# KiCad board ZSWatch-panelized.kicad_pcb (continued)
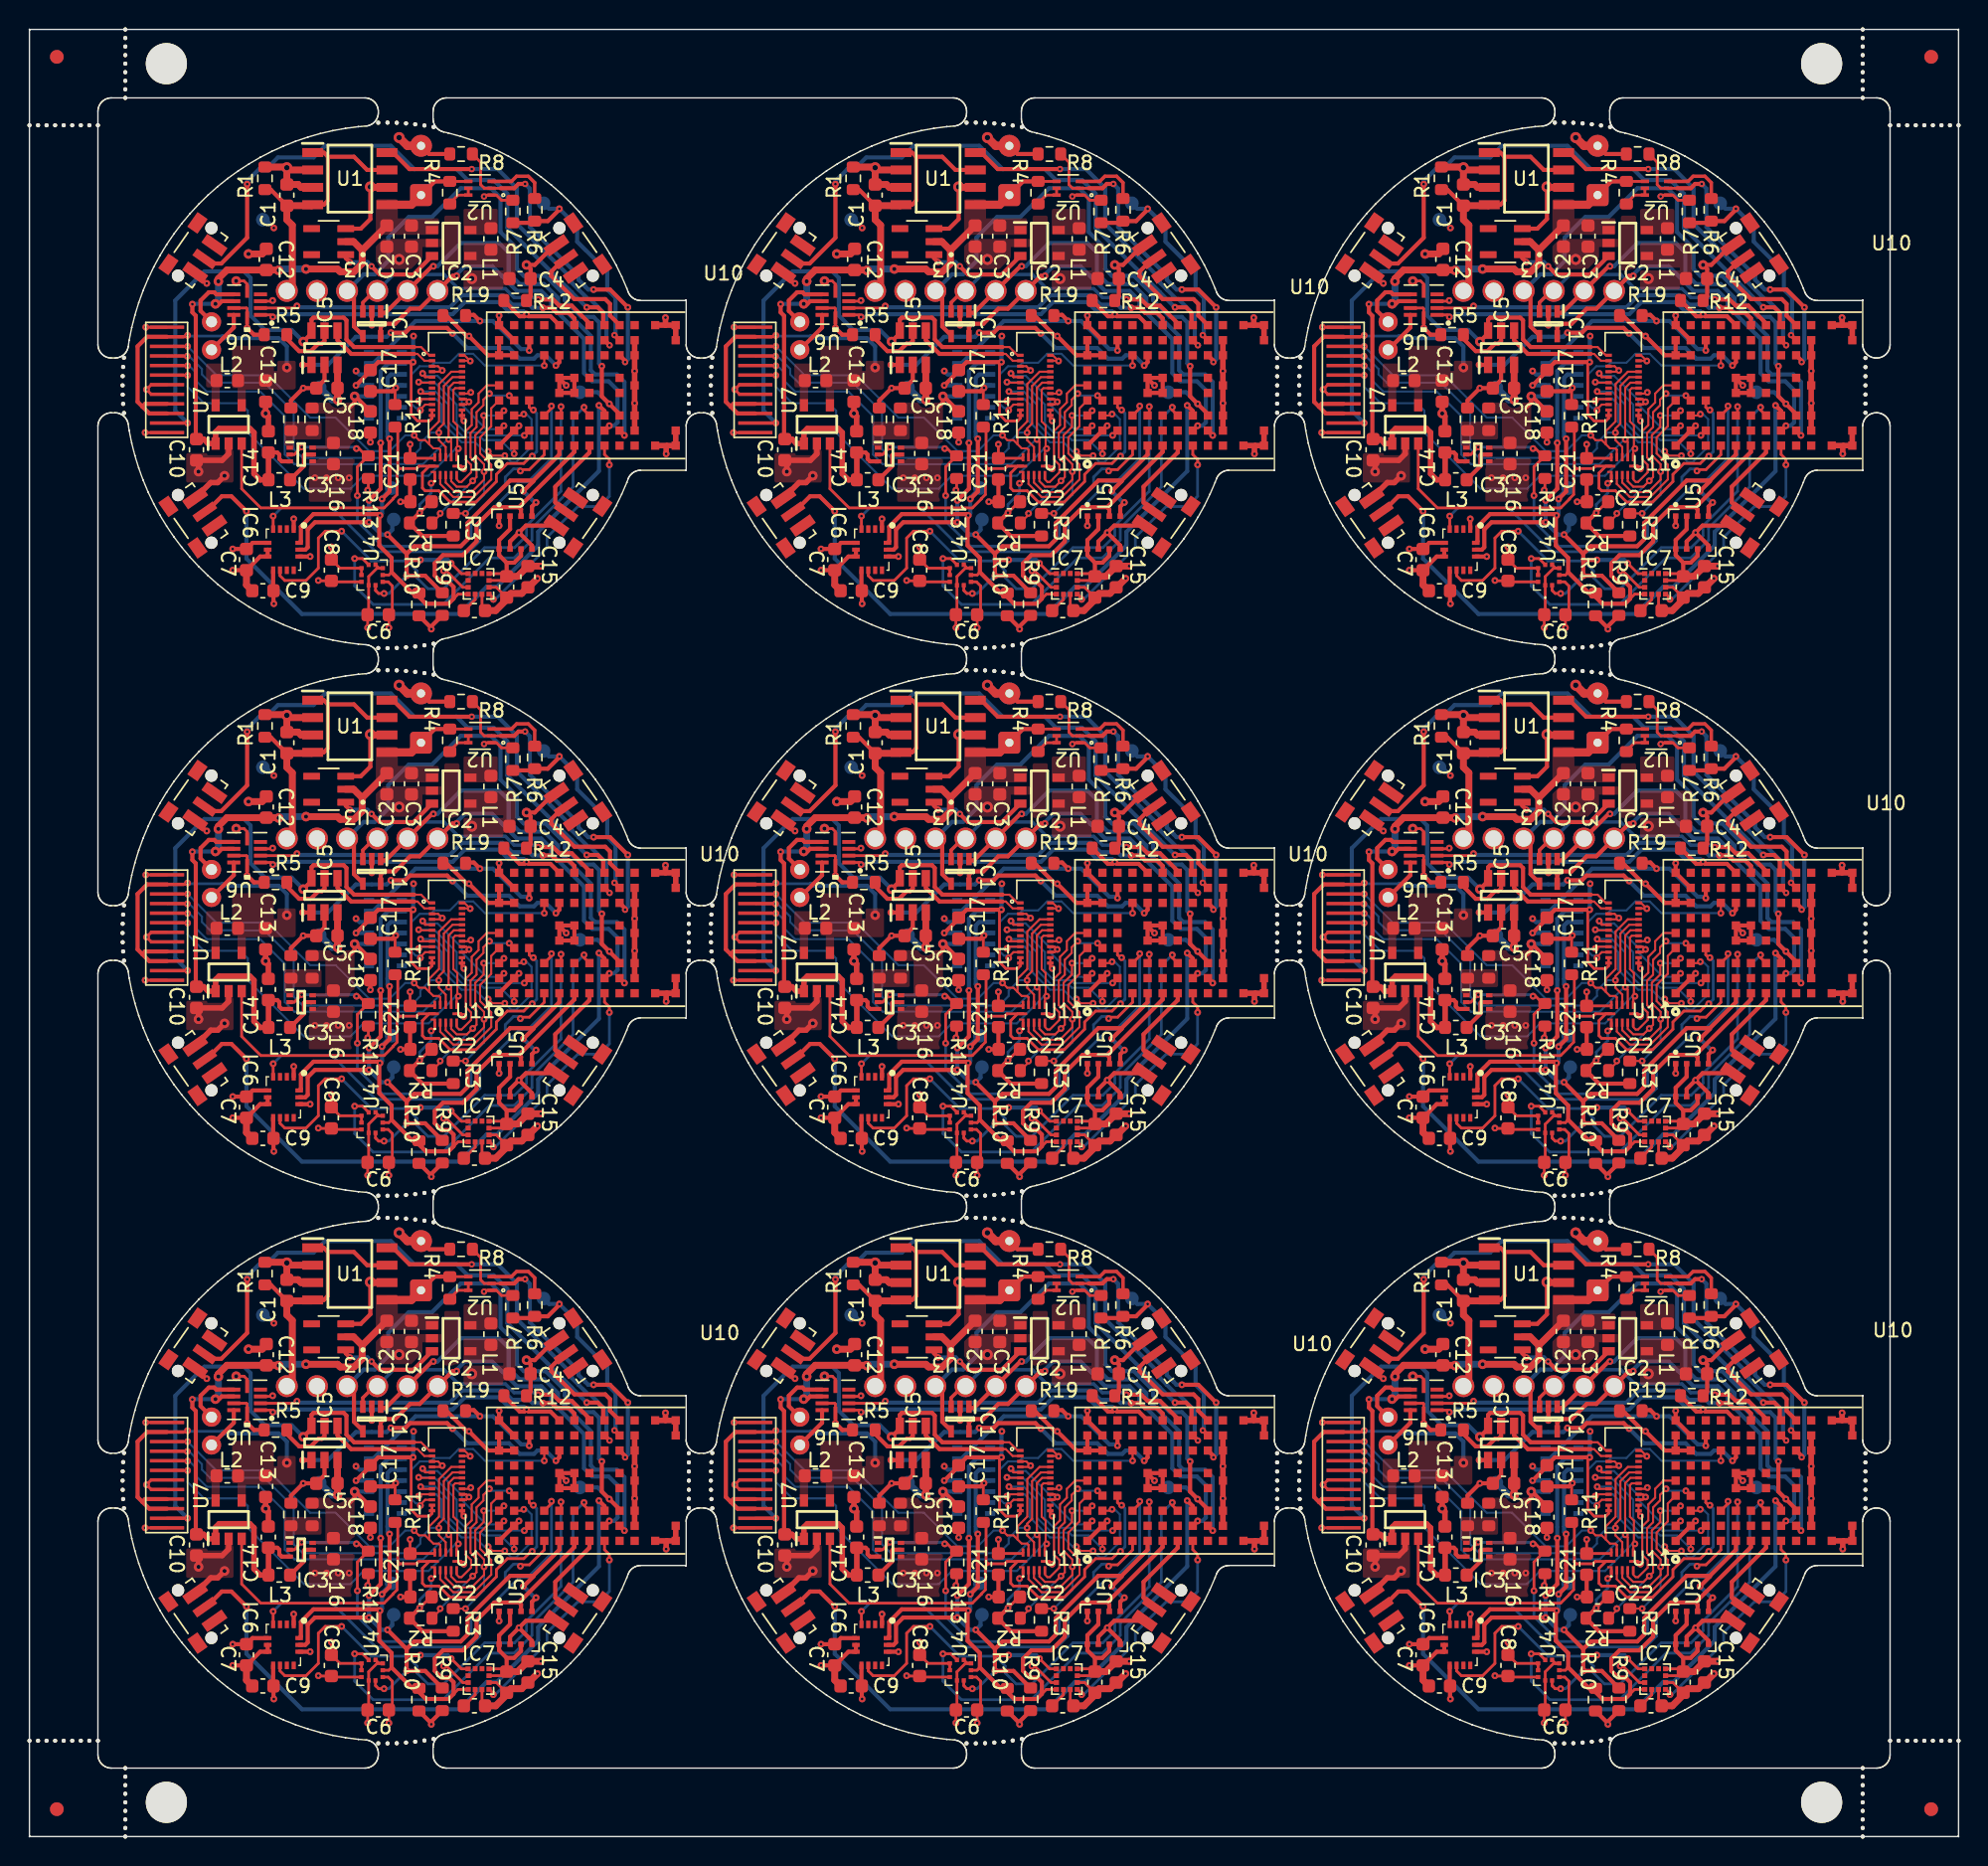
[diagram p0: board, top side]
## Routing (per net, layer and track width the routed paths; a pad name or vN(x,y) marks a point on that pad's centre or on a via; arc(x,y) is an arc through that point) (continued)
Board_5-TOUCH_SDA: length 15.9
  Top w0.15: v1(120.96,65.25) U10#9.B4 ; v1(119.51,65.4) 119.07,64.96 119.07,64.55 118.57,64.04 118.57,62.95 118.13,62.51 118.13,60.73 118.57,60.29 118.57,59.3 118.29,59.03 v1(118.29,59.03) 117.87,58.6 117.87,58.6 117.12,58.6 116.72,59 U11.4 ; R2#7.1 115.92,56.55 v1(115.92,56.65)
  Bottom w0.15: v1(118.29,59.03) 115.92,56.65 v1(115.92,56.65) ; v1(120.96,65.25) 119.66,65.25 v1(119.51,65.4)
Board_5-UART_TX: length 19.7
  Top w0.25: IC1#3.3 110.27,72.05 111.12,72.9 J2#5.3
  Top w0.3: v1(123.07,72.27) 124.15,72.27 124.6,71.82 125.52,71.82 126.81,70.53 U10#9.G9
  Bottom w0.25: J2#5.3 112.52,74.1 116.2,74.1 117.24,73.06 120.68,73.06 121.32,72.42 122.93,72.42 v1(123.07,72.27)
Board_5-V_BAT: length 51.5
  Top w0.2: U2#8.4 R4#6.1
  Top w0.3: 98.32,62.12 98.27,62.07 98.07,62.27 98.07,71.08 97.82,71.33 v1(97.82,71.93) ; BT1#6.1 115.52,80.9 R4#6.1 ; IC3#5.3 104.34,60.45 104.17,60.62 104.17,60.95 104.02,61.1 C14.1 ; v3(99.5,71.95) 99.77,71.95 99.97,72.15 U6#9.7
  Top w0.4: C14.1 103.38,61.09 L3#9.1 102.77,59.1 102.32,59.55 102.32,62.55 102.02,62.85 99.77,62.85 99.52,62.6 U7#7.1 98.97,61.75 98.64,62.07 98.27,62.07
  Top w0.5: v3(99.72,73.6) 99.72,73.8 100.34,74.42 C12#8.2 104.09,74.42 v3(104.12,74.4) ; 110.22,75.87 109.59,76.5 U3#6.2 ; 110.22,75.87 C2#9.2 ; 110.22,75.87 110.22,74.9 109.62,74.3 108.62,74.3 108.42,74.5 v3(106.12,74.5)
  Top w0.6: U1#4.5 113.81,79.19 BT1#6.1
  Bottom w0.3: v1(97.82,71.93) 97.84,71.95 v3(99.5,71.95)
  Bottom w0.5: v3(106.12,74.5) 104.22,74.5 v3(104.12,74.4) ; v3(99.5,71.95) 99.72,72.17 v3(99.72,73.6)
Board_5-VBUS: length 20.9
  Top w0.3: C1#3.1 103.54,80.3 R1#2.1 ; 107.72,82.7 107.72,79.5 107.41,79.19 U1#4.4 ; 107.72,82.7 107.41,83 U1#4.1 ; 107.72,82.7 109.62,82.7 110.58,81.73 U1#4.7
  Top w0.5: J2#5.6 105.12,73.3 105.12,77.7 104.72,78.1 C1#3.1 106.53,79.12 U1#4.4
Board_6-5V_REG_EN: length 30.3
  Top w0.2: v1(23.95,17.95) 23.95,20.05 R13#2.1 ; U10#5.D1 37.59,20.93 36.51,19.85 35.95,19.85 v1(35.85,19.75) ; v1(23.88,21.38) 24.06,21.38 24.65,20.8 ; IC3#9.2 19.34,20.95 v4(19.88,21.49)
  Bottom w0.2: v1(23.88,21.38) 23.77,21.49 v4(19.88,21.49) ; v1(35.85,19.75) 35.7,19.9 35.35,19.9 34.75,19.3 34.75,18.7 32.25,16.2 32.25,14.95 31.55,14.25 25.77,14.25 23.95,16.07 v1(23.95,17.95)
Board_6-+1V8: length 64
  Top w0.2: U4#7.6 25.52,12.65 U4#7.5 25.38,12.65 24.77,12.04 U4#7.1 24.77,9.32 C6#7.1 v1(24.7,8.3) ; 32,11.25 31.65,11.25 30.45,12.45 v1(30.25,12.45) ; v1(29.34,18.85) 29.45,18.85 29.6,19 U11#8.1 ; 29.4,24.18 U13#7.12 29.4,23.6 29.2,23.4 28.35,23.4 27.88,23.87 27.88,27.56 v1(28.02,27.7) ; v1(28.5,16.7) 29.3,17.5 C22#2.2 ; 33.6,11.75 34.55,11.75 C19#8.2 34.65,12.25 33.6,12.25 ; v1(21.1,11.75) 21.12,11.72 C8#2.2 22.12,11.65 U4#7.10
  Top w0.3: U10#5.A7 33.5,28.2 v1(32.1,29.6) 31.95,29.6 30.45,31.1 R19#8.1 30.45,31.1 ; U10#5.A7 U10#5.A8 ; U10#5.A7 U10#5.B7 ; U5.6 35.9,13.55 35.4,13.05 34.85,13.05 ; 34.85,13.05 34.3,13.6 U5.8 34.3,14.7 35.1,15.5 U5.2 ; 34.85,13.05 C19#8.2 ; R10#8.2 29.35,8.27 v1(29.35,8.2) 29.35,8.4 R9#6.2 ; IC6#5.5 16.3,14.5 C7#7.1 v1(14.85,14.05) ; IC6#5.8 17.8,11.02 C9#9.2 17.82,10.07 v1(17.85,10.05) ; IC6#5.12 v1(20.5,13.5) ; v1(28.02,27.7) 25.47,27.7 C17#6.2 24.9,27.05 v1(23.85,26) ; v1(28.5,16.7) R2#6.2 28.7,15 R3#2.2
  Top w0.5: v1(37.35,12.8) C15#6.1 35.65,12.05 C19#8.2
  Bottom w0.2: v1(29.34,18.85) 29.34,18.14 28.5,17.3 v1(28.5,16.7)
  Bottom w0.3: v1(28.05,29.6) 28.02,29.57 v1(28.02,27.7) ; TP8#3.1 17.25,38.1 v1(17.85,37.5) ; v1(23.85,26) IC4#2.11
  vias: v2(32.3,33.8)
Board_6-+5V: length 5
  Top w0.3: C18#7.1 23.8,25.2 v3(23.75,25.2) 23.75,24.75 23.4,24.4
  Bottom w0.3: IC4#2.10 v3(23.75,25.2) 24.55,24.4 IC4#2.9
Board_6-/C1: length 1.6
  Top w0.2: 32.55,10.75 32.55,10.35 31.75,9.55 C11#8.1
Board_6-/D2: length 4.7
  Top w0.25: R6#8.1 36.9,40.81 36.43,41.28 35.57,41.28 35.2,40.9 U2#2.3
Board_6-/G2: length 2.2
  Top w0.2: U2#2.5 U2#2.6 31.3,39.9 30.7,39.3 R4#8.2
Board_6-/ISET: length 4.5
  Top w0.3: R5#3.2 18.8,29.4 19.7,28.5 20.55,28.5 21.1,29.05 21.35,29.05 21.55,29.25 IC5#4.5
Board_6-/MOTOR_OUT+: length 3.2
  Top w0.3: U6#6.9 14.92,30.22 M1#7.1
Board_6-/MOTOR_OUT-: length 4.6
  Top w0.3: U6#6.6 13.65,32.65 13.5,32.8 13.1,32.8 12.5,32.2 12.5,31.44 M1#7.2
Board_6-/SW: length 2.9
  Top w0.3: L3#6.2 20.05,20.11 20.05,20.9 20.1,20.95 IC3#9.5
Board_6-/TOUCH_HIGH_INT-DC: length 31.4
  Top w0.15: 29.2,21.7 28.9,22 28.45,22 v1(28.1,22.35) ; 29.2,21.7 29.5,21.4 29.9,21.4 30,21.3 ; 29.2,21.7 29.2,22.66 29.91,23.37 29.91,26.1 30.8,27 U13#7.21 ; v1(11.55,28.85) U12#8.10 ; 29.97,21.32 30,21.3 ; 30,21.3 U11#8.10
  Bottom w0.15: v1(11.55,28.85) 11.55,28.85 13.65,26.75 17.4,26.75 20.5,23.65 22.36,23.65 24.81,21.2 26.3,21.2 27.45,22.35 v1(28.1,22.35)
Board_6-/TOUCH_HIGH_RST-SDA: length 33
  Top w0.15: U13#7.18 31.09,25.8 30.96,25.67 30.96,23.36 31.25,23.07 31.25,21.46 ; 11.53,26.75 U12#8.7 ; U11#8.7 31.2,21.26 v1(31.32,21.38)
  Bottom w0.15: v1(11.55,26.73) 11.55,25.9 12.75,24.7 15.4,24.7 15.95,24.15 15.95,22.55 20.05,18.45 23.45,18.45 24.4,19.4 29.15,19.4 31.13,21.38 v1(31.32,21.38)
Board_6-/TOUCH_HIGH_SCL-CS: length 32.9
  Top w0.15: v1(11.53,28.13) 10.07,28.13 U12#8.9 ; U11#8.9 30.4,21.5 29.9,22 v1(29.9,22.55) 29.9,22.85 30.26,23.21 30.26,25.96 30.9,26.6 U13#7.20
  Bottom w0.15: v1(29.9,22.55) 29.3,22.55 28.55,21.79 28.55,21.4 27.85,20.7 19.95,20.7 19.3,21.35 19.3,24.05 17.15,26.2 13.2,26.2 12.6,26.8 12.6,27.2 11.67,28.13 v1(11.53,28.13)
Board_6-/TOUCH_HIGH_SDA-SCL: length 32.6
  Top w0.15: U13#7.19 30.99,26.2 30.61,25.81 30.61,22.06 v1(30.62,22.05) 30.8,21.87 U11#8.8 ; v1(11.55,27.43) 11.53,27.45 U12#8.8
  Bottom w0.15: v1(11.55,27.43) 11.67,27.43 12.15,26.95 12.15,26.35 12.95,25.55 16.85,25.55 18.65,23.75 18.65,20.95 19.35,20.25 28.75,20.25 30.54,22.05 v1(30.62,22.05)
Board_6-/~{RESET_BAT_SUP}: length 7.6
  Top w0.3: v4(24.98,34.7) 25.58,34.1 28.05,34.1 IC2#9.3 ; U3#5.1 23.1,35.3 v4(23.4,35)
  Bottom w0.3: v4(24.98,34.7) 24.68,35 v4(23.4,35)
Board_6-BAT_MON: length 16.5
  Top w0.3: v1(38.7,38.9) 38.7,38.85 37.85,38 R6#8.2 ; R7#6.1 36.77,37.87 ; v4(42.72,29.67) U10#5.J8
  Bottom w0.3: v4(42.72,29.67) 42.8,29.75 42.8,32.4 42.2,33 42.2,34.3 40,36.5 40,37.6 v1(38.7,38.9) 37.95,38.9 TP3#6.1
Board_6-BAT_MON_EN: length 23.8
  Top w0.2: R8#5.2 32.95,42.3 32.95,40.67 33.22,40.4 U2#2.2 34.4,40.4
  Top w0.3: v1(43.7,31.7) 42.4,33 v1(41.2,33) ; v4(43.5,27.7) 43.5,27.8 U10#5.J7 ; v4(36.2,40.72) 35.71,40.72 35.4,40.4 34.4,40.4
  Bottom w0.3: v1(41.2,33) 40.8,33 40.6,33.21 40.6,33.21 40.1,33.71 40.1,34.01 36.54,37.56 36.54,40.37 v4(36.2,40.72) ; v4(43.5,27.7) 43.7,27.9 v1(43.7,31.7)
Board_6-BMP581_INT: length 30.7
  Top w0.2: v1(40.5,24.4) 40.5,24.2 U10#5.G3 ; U4#7.7 24.32,13.35 v1(23.75,13.35)
  Bottom w0.2: v1(40.5,24.4) 39.7,23.6 39.7,18.58 36.7,15.58 36.7,14.7 35.4,13.4 33.6,13.4 30.2,10 25.1,10 23.75,11.35 v1(23.75,13.35)
Board_6-BTN_1: length 45.4
  Top w0.3: v1(41.59,24.54) 41.99,24.13 U10#5.H3 ; S1#8.2 12.91,16.77 14.05,17.9 14.75,17.9 v1(15.85,16.8)
  Bottom w0.3: v1(15.85,16.8) 15.85,13.35 19.9,9.3 31.4,9.3 33.4,11.3 34.15,11.3 37.15,14.3 37.15,15.3 41.59,19.74 v1(41.59,24.54)
Board_6-BTN_2: length 8.8
  Top w0.3: U10#5.J9 42.4,31.1 42.4,31.95 42.05,32.3 39.8,32.3 38.1,34 38.1,34.3 39.03,35.23 S2#8.2
Board_6-BTN_3: length 42.5
  Top w0.3: 41.9,30.5 41.9,31.3 41.5,31.7 v1(40.7,31.7) ; S3#6.2 13.14,34.9 14.01,34.9 15.9,36.79 v1(15.9,40.7)
  Bottom w0.3: v1(40.7,31.7) 40.69,31.7 39.6,32.79 39.6,32.8 36.1,36.3 36.1,36.31 34.9,37.51 34.9,40 33.9,41 32,41 31.2,41.8 28.1,41.8 26.4,43.5 21.6,43.5 20.75,42.65 18.15,42.65 17.3,41.8 16.78,41.8 15.9,40.92 v1(15.9,40.7)
Board_6-BTN_4: length 6.3
  Top w0.3: S4#3.2 39.08,16.77 38.4,17.45 38.4,18.6 40.89,21.1 U10#5.G1
Board_6-CHG: length 25.5
  Top w0.3: v4(32.3,41.8) 27.75,41.8 26.55,43 U1#3.8 ; U10#5.H8 v4(42.37,28.93)
  Bottom w0.3: v4(32.3,41.8) 34.2,41.8 35.6,40.4 35.6,37.8 39.6,33.8 39.6,33.51 40.1,33.01 40.1,33 40.8,32.3 40.95,32.3 42.14,31.11 42.14,29.16 v4(42.37,28.93)
Board_6-DISPLAY_3V3: length 31.5
  Top w0.15: 31.59,23.55 v1(31.73,23.41) ; U13#7.24 31.77,28.2 v1(32.19,27.78) 32.17,27.8 U13#7.23 ; U13#7.17 32.14,25.4 v1(32.23,25.49) ; U13#7.14 U13#7.13
  Top w0.2: v1(27.8,21.7) C21#4.2 29.52,20.67 U11#8.11 ; U12#8.11 11.45,29.55 v1(11.55,29.65) ; U13#7.13 31.59,23.55
  Top w0.3: 8.25,24.45 8.75,23.95 U12#8.3 ; 8.25,24.45 8.45,24.65 U12#8.4 ; 8.25,24.45 7.9,24.8 7.9,28.85 8.6,29.55 U12#8.11
  Top w0.5: IC5#4.3 C5#6.2 v3(22.5,24.95)
  Bottom w0.2: 14.1,29.6 11.6,29.6 v1(11.55,29.65)
  Bottom w0.3: v3(18.8,27.3) 18.8,28.85 18.2,29.45 14.25,29.45 14.1,29.6
  Bottom w0.5: TP11#2.1 22.1,24.95 v3(22.5,24.95)
Board_6-DISPLAY_BLK: length 22.5
  Top w0.3: U10#5.E7 38.7,28.2 38.7,27.7 v1(38.45,27.45) ; v1(26.4,29.85) 27.45,29.85 27.8,30.2 30.5,30.2 v1(30.9,29.8) ; IC5#4.1 v1(19.95,27.5)
  Bottom w0.3: v1(38.45,27.45) 37.7,28.2 37.1,28.2 36.85,27.95 35.8,27.95 35.02,28.73 31.97,28.73 v1(30.9,29.8) ; v1(19.95,27.5) 21.8,27.5 23.85,29.55 26.1,29.55 v1(26.4,29.85)
Board_6-DISPLAY_CLK: length 11
  Top w0.15: U10#5.B1 35.4,21.6 v1(35.4,21) ; v1(28.57,25.55) 28.72,25.4 U13#7.8
  Bottom w0.15: v1(28.57,25.55) 29.64,25.55 30.6,24.6 30.6,23.3 31.7,22.2 32.96,22.2 33.17,22 34.4,22 v1(35.4,21)
Board_6-DISPLAY_CS: length 15.9
  Top w0.15: v1(36.1,23.9) 36,23.8 U10#5.B3 ; v1(34.71,20.87) 33.81,20.87 v1(33.5,21.18) ; U13#7.9 28.56,25 v1(28.43,24.87)
  Bottom w0.15: v1(33.5,21.18) 33.22,21.18 32.55,21.85 31.56,21.85 30.1,23.31 30.1,24.6 29.7,25 28.56,25 v1(28.43,24.87) ; v1(36.1,23.9) 36.3,23.9 36.67,23.53 36.67,21.53 35.54,20.4 35.18,20.4 v1(34.71,20.87)
Board_6-DISPLAY_DATA: length 11.6
  Top w0.15: v1(36.14,22.35) U10#5.C2 ; U13#7.6 28.46,26.2 v1(28.43,26.24)
  Bottom w0.15: v1(36.14,22.35) 33.31,22.35 33.11,22.55 31.85,22.55 31.2,23.2 31.2,24.6 29.56,26.24 v1(28.43,26.24)
Board_6-DISPLAY_DC: length 9.3
  Top w0.15: v1(34.65,23.05) U10#5.A2 ; U13#7.5 28.9,26.6 28.89,26.61 28.89,26.7 v1(28.71,26.87)
  Bottom w0.15: v1(28.71,26.87) 28.71,26.81 28.83,26.7 29.8,26.7 31.57,24.92 31.57,24.58 33.35,22.8 34.39,22.8 v1(34.65,23.05)
Board_6-DISPLAY_EN: length 40.3
  Top w0.2: v1(36.8,24.2) 36.7,24.2 36.49,24.4 U10#5.C4 ; R11#2.1 26.9,22.75 26.9,20.05 27.02,19.92 ; U7#4.3 15.5,18.45 16.9,17.05 25.9,17.05 26.55,17.7 26.55,17.73 26.85,18.03 26.85,19.75 27.02,19.92 ; v1(36.71,20.83) 36.63,20.83 36.1,20.3 34.9,20.3 34.1,19.5 34.1,18.97 32.6,17.47 30.72,17.47 29.9,18.3 28.9,18.3 28.7,18.5 28.7,19.6 29.2,20.1 U11#8.12 28.44,20.1 28.26,19.92 27.02,19.92
  Bottom w0.2: v1(36.8,24.2) 37.04,23.96 37.04,21.16 v1(36.71,20.83)
Board_6-DISPLAY_RST: length 15.5
  Top w0.15: U13#7.10 28.9,24.6 28.64,24.34 28.64,24.27 v1(28.55,24.18) ; v1(37.6,27.45) 37.6,28.2 U10#5.D7
  Bottom w0.15: v1(37.6,27.45) 33.26,27.45 32.41,28.3 31.35,28.3 30.7,27.65 29.55,27.65 29.3,27.4 28.5,27.4 27.9,26.8 27.9,24.65 28.21,24.34 28.39,24.34 v1(28.55,24.18)
Board_6-DRV_VIB_EN: length 25.2
  Top w0.2: v1(17.77,31) 17.62,31.15 U6#6.1
  Top w0.3: U10#5.E9 38.04,31.05 36.45,31.05 v1(36.3,31.2) 36.15,31.05 35.8,31.05 R12.1
  Bottom w0.3: v1(17.77,31) 18.1,31 18.3,31.2 30.9,31.2 31.79,32.09 34.3,32.09 34.98,31.4 36.1,31.4 v1(36.3,31.2)
Board_6-DRV_VIB_PWM: length 24.6
  Top w0.2: v1(19.54,31.8) 19.39,31.65 U6#6.2
  Top w0.3: v1(37.5,31.66) 38.14,31.66 38.5,31.3 39.4,31.3 39.79,30.9 U10#5.F9
  Bottom w0.3: v1(37.5,31.66) 36.73,31.66 36.5,31.9 35.25,31.9 34.56,32.59 31.58,32.59 30.7,31.7 19.64,31.7 v1(19.54,31.8)
Board_6-GND: length 117.3
  Top w0.15: U13#7.16 31.9,25 v1(32.1,24.8) 31.9,24.6 U13#7.15 ; U13#7.4 30.05,27 v1(30.15,27.09) 29.84,27.4 U13#7.3
  Top w0.2: v3(15.1,33.63) 15.67,33.63 15.9,33.4 U6#6.5 ; U12#8.12 v1(8.5,30.25) ; U12#8.5 8.9,25.35 v1(8.55,25.7) 8.9,26.05 U12#8.6 ; U12#8.1 v1(8.45,22.55) ; U6#6.8 15.85,31.65 15.9,31.6 U6#6.10 v1(15.9,30.2) ; U4#7.9 U4#7.8 22.67,12.65 C8#2.1 v1(22.05,14.2) ; v1(17.76,32.2) 17.71,32.15 U6#6.3 ; R13#2.2 24.75,18.4 v1(24.7,18.35) ; C11#8.2 33.05,9.77 33.05,10.75 ; v1(26.25,8.3) C6#7.2 26.5,9.5 26.5,11.35 26.2,11.65 U4#7.3 ; R11#2.2 26.7,25.77 v1(26.75,25.82) ; v1(31.72,19.9) 31.52,20.1 U11#8.6 ; v4(33.2,39.8) 33.3,39.9 U2#2.1 34.1,39.9 34.47,39.52 R7#6.2 ; C19#8.1 34.1,11.25 33.6,11.25
  Top w0.3: v1(26.75,25.82) 26.5,25.57 C17#6.1 ; v1(35.75,15.25) 36.7,14.3 U5.5 ; v1(35.75,15.25) 36.26,15.76 S4#3.1 ; v1(35.75,15.25) 35.1,14.6 U5.7 ; R12.2 36.6,32.5 C4#6.2 36.6,34.5 v3(36.3,34.8) 36.9,34.8 38.34,36.24 S2#8.3 ; C18#7.2 v1(24.9,21.85) ; v1(34.3,31.1) 34.29,31.1 U10#5.A9 U10#5.B8 ; S3#6.3 12.88,33.45 v1(12.95,33.45) ; R5#3.1 16.4,29.7 v1(15.9,30.2) ; U10#5.E5 U10#5.F5 U10#5.F4 U10#5.E4 U10#5.E5 ; U10#5.E5 38.69,26.5 v1(39.2,26) ; BT1#3.2 29.2,42.9 R8#5.1 ; U10#5.A1 U10#5.B2 v1(35.75,23.05) ; U5.1 v1(34.3,15.75) ; C21#4.1 27.8,17.52 C22#2.1 v1(27.1,17.5) ; 25,31.3 v1(25,30.4) ; v1(14.85,12.5) C7#7.2 16.85,13.5 IC6#5.7 IC6#5.6 ; R18#8.1 19.1,24.9 v1(20,25.8) C5#6.1 21.55,26.4 IC5#4.2 ; IC6#5.1 v1(19.3,16.25) ; U3#5.3 24.2,37.45 24.9,38.15 v2(24.9,40.5)
  Top w0.4: 46.55,21.6 U10#5.M1 U10#5.M2 ; 46.55,21.6 46.5,21.55 v1(46.5,21) ; 46.55,21.6 U10#5.L1 ; 46.45,30.4 U10#5.M9 U10#5.M8 ; 46.45,30.4 v1(46.45,30.95) ; 46.45,30.4 U10#5.L9 ; v3(14.25,19.4) 13.75,18.9 13.23,18.9 S1#8.1 ; C14#2.2 17.45,23.75 v3(17.25,23.95) C13#5.2 ; v3(12.35,19.7) 12.35,20.52 14.07,20.52 14.55,21 U7#4.2 ; U10#5.K2 U10#5.K3 44.19,24.7 v1(44.2,24.7) 44.19,24.7 U10#5.K5 v1(44.19,27.05) U10#5.K7 U10#5.K8
  Top w0.5: U1#3.2 18.96,41.73 v2(18.8,41.9) ; v2(18.8,41.9) 18.75,41.95 R1#3.2 ; v2(18.8,41.9) C1#8.2 19.62,40.67 19.83,40.46 U1#3.3 ; v2(24.9,40.5) 24.93,40.46 U1#3.6 ; v1(37.1,11.9) 36.45,11.25 C15#6.2 35.95,10.8 35.15,10.8 C19#8.1 34.85,10.35 34.05,9.55 C11#8.2 ; C7#7.2 15.85,11.42 C9#9.1 ; v3(16,35.6) 17,35.6 17.3,35.9 C12#7.1
  Top w0.6: v2(27,44.1) 27.6,43.5 BT1#3.2
  Bottom w0.3: IC4#2.4 26.93,26 v1(26.75,25.82) ; v1(23.85,27.05) 24.1,26.8 IC4#2.12
  vias: v1(20.85,19.25) v1(21.7,19.25) v1(22.55,19.25) v1(23.35,19.25) v2(27,35.2)
Board_6-INT1_LIS: length 31.2
  Top w0.2: v1(38.12,24.49) 38.12,24.32 U10#5.D3 ; IC6#5.4 v1(17.8,16.45)
  Bottom w0.2: v1(17.8,16.45) 18.4,17.05 22.1,17.05 25.3,13.85 32.1,13.85 32.9,14.65 32.9,16.05 35.8,18.95 36.4,18.95 38.12,20.67 v1(38.12,24.49)
Board_6-INT2_LIS: length 36.1
  Top w0.2: v1(22.8,15.35) 21.6,15.35 21.1,14.85 21.1,12.65 20.2,11.75 18.65,11.75 18.3,12.1 IC6#5.9 ; U10#5.E3 38.82,23.92 v1(38.82,24.45)
  Bottom w0.2: v1(22.8,15.35) 24.97,13.17 27.57,13.17 28.3,12.45 28.3,11.95 29.1,11.15 30.25,11.15 33.25,14.15 35.42,14.15 36.3,15.02 36.3,15.75 38.82,18.27 v1(38.82,24.45)
Board_6-LEDK1: length 37.5
  Top w0.15: 28.1,28.8 28.6,28.8 29.2,28.2 U13#7.1
  Top w0.2: U12#8.2 v1(11.55,23.25)
  Top w0.3: v3(20,29.2) 20.6,29.8 IC5#4.6 20.6,30.8 20.75,30.95 22.95,30.95 23.15,30.75 23.15,29.35 23.7,28.8 28.1,28.8
  Bottom w0.3: v1(11.55,23.25) 10.65,24.15 10.65,32.2 12.77,34.33 15.67,34.33 16.15,33.85 16.15,31.1 17.2,30.05 19.15,30.05 v3(20,29.2)
Board_6-LEDK2: length 8.2
  Top w0.15: U13#7.2 28.84,27.8 28.34,28.3 28.1,28.3
  Top w0.3: 28.1,28.3 23.5,28.3 22.5,29.3 IC5#4.4
Board_6-LIS2MDL_INT: length 16.4
  Top w0.2: v1(42.35,20.2) 42.35,20.6 41.99,20.95 U10#5.H1 ; v1(33.88,10.37) 33.88,10.47 33.6,10.75
  Bottom w0.2: v1(33.88,10.37) 34.02,10.37 37.8,14.15 37.8,14.9 40.05,17.15 41.6,17.15 42.35,17.9 v1(42.35,20.2)
Board_6-MAX30_INT: length 15.9
  Top w0.3: U10#5.C8 36.5,29.3 v1(36.5,28.55) ; 31.85,31.15 32.45,31.15 v1(32.9,30.7)
  Bottom w0.3: IC4#2.13 25.1,27.6 28.2,30.7 v1(32.9,30.7) 33.85,30.7 35.9,28.65 36.4,28.65 v1(36.5,28.55)
Board_6-RESET_N: length 42.1
  Top w0.3: 24.35,29.65 23.7,30.3 23.7,32.4 ; U10#5.J3 43.09,23.9 v1(42.35,24.65) 41.8,25.2 v1(41.8,27.4)
  Bottom w0.3: TP12#2.1 41.5,25.5 v1(42.35,24.65) ; J2.4 24.41,34.11 25.22,34.11 26.2,35.09 26.2,36.8 27.7,38.3 29.4,38.3 31.5,40.4 33.7,40.4 34.4,39.7 34.4,37.2 35.6,36 35.6,34.5 36.1,34 37.69,34 39.1,32.59 39.1,32.21 40.31,31 41.2,31 41.6,30.6 41.6,27.6 v1(41.8,27.4)
Board_6-SCL_ANNA: length 56.6
  Top w0.2: U4#7.2 25.27,11.02 25.5,10.8 v1(25.9,10.8) ; v1(30.8,13) 31.55,12.25 32,12.25
  Top w0.3: v1(24.8,17.6) 25.65,18.45 v1(25.65,21.8) ; IC6#5.13 20.15,14 20.32,14.17 20.32,15.47 20.85,16 v1(24.8,16) ; R9#6.1 28.9,12.1 v1(27.55,12.1) 27.55,13.25 ; 27.55,13.7 v1(26.15,15.1) ; 27.55,13.7 28.1,14.25 31.49,14.25 32,14.76 32,15.95 35.1,19.05 36.8,19.05 ; 27.55,13.7 27.55,13.25 ; U5.4 36.7,17.15 v1(37,17.45) ; 36.8,19.05 36.8,19 v1(36.07,18.27) ; 36.8,19.05 38.69,20.95 U10#5.E1 ; v1(28.55,13.25) 28.55,13.25 27.55,13.25
  Bottom w0.2: v1(25.9,10.8) 26.25,10.8 v1(27.55,12.1)
  Bottom w0.3: 26.5,16.2 26.5,15.45 v1(26.15,15.1) 25.7,15.1 v1(24.8,16) v1(24.8,17.6) ; v1(36.07,18.27) 36.9,17.45 v1(37,17.45) ; v1(25.65,21.8) 25.65,27.05 26.2,27.6 IC4#2.2 ; v1(28.55,13.25) 30.55,13.25 v1(30.8,13)
Board_6-SDA_ANNA: length 51.2
  Top w0.2: 32,10.75 31.3,10.75 30.97,10.42 ; 26.45,12.35 26.25,12.15 U4#7.4
  Top w0.3: 35.75,17.1 35.9,16.95 U5.3 ; 35.75,17.1 39.79,21.15 U10#5.F1 ; 35.75,17.1 33.95,17.1 32.65,15.8 32.65,14.6 31.65,13.6 30.2,13.6 29.6,13 29.6,12.11 30.1,11.6 30.65,11.6 30.97,11.28 30.97,10.42 30.6,10.05 28.95,10.05 28.45,10.55 R10#8.1 27.97,10.82 26.45,12.35 26.45,13.4 25.55,14.3 25.55,16.45 v1(25.6,16.5) 25.5,16.6 20.74,16.6 19.82,15.68 19.82,14.62 IC6#5.14 ; v1(26.3,22.1) 26.3,18.25 v1(25.75,17.7)
  Bottom w0.3: v1(25.6,16.5) 25.75,16.65 v1(25.75,17.7) 25.75,17.8 TP10#6.1 ; v1(26.3,22.1) 26.15,22.25 26.15,26.55 26.4,26.8 IC4#2.3
Board_6-SWDCLK: length 31.1
  Top w0.3: 25.65,31.3 26,31.3 J2.2 29.4,34.7 v1(29.5,34.7) ; v1(43.45,22.35) U10#5.J2
  Bottom w0.3: v1(29.5,34.7) 29.8,34.7 31.5,36.4 34.3,36.4 35,35.7 35,34.2 35.8,33.4 37.58,33.4 38.6,32.39 38.6,32.01 41,29.61 41,27.1 41.3,26.8 42.9,26.8 43.45,26.25 v1(43.45,22.35)
Board_6-SWDIO: length 28.9
  Top w0.3: v1(31.2,34) 30.9,34 J2.1 28.5,31.6 27.8,31.6 26.7,30.5 25.9,30.5 25.65,30.25 25.65,29.5 ; v1(42.35,23.05) U10#5.H2
  Bottom w0.3: v1(31.2,34) 31.2,34.1 31.8,34.7 33.8,34.7 34.5,34 34.5,33.99 35.59,32.9 37.38,32.9 38.1,32.18 38.1,31.8 40.5,29.4 40.5,26.89 41.09,26.3 42.3,26.3 42.95,25.65 42.95,23.3 42.7,23.05 v1(42.35,23.05)
Board_6-TOUCH_INT: length 12
  Top w0.15: U10#5.A4 33.72,24.32 33.72,23.02 32.91,22.2 32.91,21.02 33.72,20.21 33.72,19.13 32.44,17.85 30.95,17.85 30,18.8 U11#8.2
Board_6-TOUCH_RST: length 9.5
  Top w0.15: U10#5.A5 33.4,26 32.8,25.4 32.8,24.76 32.3,24.26 32.3,23.1 31.86,22.66 31.86,20.59 32.25,20.2 32.25,19.64 31.55,18.95 31.38,18.95 31.2,19.13
Board_6-TOUCH_SCL: length 15.9
  Top w0.15: U11#8.3 30.4,18.9 31.1,18.2 32.29,18.2 33.2,19.11 v1(33.2,19.7) 33.2,20.24 32.56,20.88 32.56,22.36 33.17,22.97 v1(33.17,23.8) ; v1(34.65,24.15) U10#5.A3 ; v1(31.85,16.65) R3#2.1
  Bottom w0.15: v1(34.65,24.15) U10#5.A3 v1(33.17,23.8) ; v1(31.85,16.65) 33.2,18 v1(33.2,19.7)
Board_6-TOUCH_SDA: length 15.9
  Top w0.15: U11#8.4 30.8,19 31.2,18.6 31.95,18.6 31.95,18.6 v1(32.37,19.03) 32.37,19.03 32.65,19.3 32.65,20.29 32.21,20.73 32.21,22.51 32.65,22.95 32.65,24.04 33.15,24.55 33.15,24.96 v1(33.59,25.4) ; R2#6.1 30,16.55 v1(30,16.65) ; v1(35.04,25.25) U10#5.B4
  Bottom w0.15: v1(30,16.65) 30,16.65 v1(32.37,19.03) ; v1(35.04,25.25) 33.74,25.25 v1(33.59,25.4)
Board_6-UART_TX: length 19.7
  Top w0.25: J2.3 25.2,32.9 24.35,32.05 IC1#4.3
  Top w0.3: U10#5.G9 40.89,30.53 39.6,31.82 38.68,31.82 38.23,32.27 v1(37.15,32.27)
  Bottom w0.25: J2.3 26.6,34.1 30.28,34.1 31.32,33.06 34.76,33.06 35.4,32.42 37.01,32.42 v1(37.15,32.27)
Board_6-V_BAT: length 51.5
  Top w0.2: U2#2.4 R4#8.1
  Top w0.3: BT1#3.1 29.6,40.9 R4#8.1 ; v3(13.58,31.95) 13.85,31.95 14.05,32.15 U6#6.7 ; IC3#9.3 18.42,20.45 18.25,20.62 18.25,20.95 18.1,21.1 C14#2.1 ; 12.4,22.12 12.35,22.07 12.15,22.27 12.15,31.08 11.9,31.33 v1(11.9,31.93)
  Top w0.4: 12.35,22.07 12.72,22.07 13.05,21.75 U7#4.1 13.6,22.6 13.85,22.85 16.1,22.85 16.4,22.55 16.4,19.55 16.85,19.1 L3#6.1 17.46,21.09 C14#2.1
  Top w0.5: v3(18.2,34.4) 18.17,34.42 C12#7.2 14.42,34.42 13.8,33.8 v3(13.8,33.6) ; U3#5.2 23.67,36.5 24.3,35.87 ; v3(20.2,34.5) 22.5,34.5 22.7,34.3 23.7,34.3 24.3,34.9 24.3,35.87 ; 24.3,35.87 C2#5.2
  Top w0.6: BT1#3.1 27.89,39.19 U1#3.5
  Bottom w0.3: v3(13.58,31.95) 11.92,31.95 v1(11.9,31.93)
  Bottom w0.5: v3(13.58,31.95) 13.8,32.17 v3(13.8,33.6) ; v3(18.2,34.4) 18.3,34.5 v3(20.2,34.5)
Board_6-VBUS: length 20.9
  Top w0.3: 21.8,42.7 21.49,43 U1#3.1 ; 21.8,42.7 23.7,42.7 24.66,41.73 U1#3.7 ; 21.8,42.7 21.8,39.5 21.49,39.19 U1#3.4 ; C1#8.1 17.62,40.3 R1#3.1
  Top w0.5: J2.6 19.2,33.3 19.2,37.7 18.8,38.1 C1#8.1 20.62,39.12 U1#3.4
Board_7-5V_REG_EN: length 30.3
  Top w0.2: IC3#6.2 62.3,20.95 v4(62.84,21.49) ; R13.1 66.91,20.05 v1(66.91,17.95) ; v1(78.81,19.75) 78.91,19.85 79.47,19.85 80.55,20.93 U10#3.D1 ; 67.61,20.8 67.02,21.38 v1(66.84,21.38)
  Bottom w0.2: v1(78.81,19.75) 78.66,19.9 78.31,19.9 77.71,19.3 77.71,18.7 75.21,16.2 75.21,14.95 74.51,14.25 68.73,14.25 66.91,16.07 v1(66.91,17.95) ; v4(62.84,21.49) 66.73,21.49 v1(66.84,21.38)
Board_7-+1V8: length 64
  Top w0.2: U4#9.10 65.08,11.65 C8#6.2 64.08,11.72 v1(64.06,11.75) ; 72.36,24.18 U13#6.12 72.36,23.6 72.16,23.4 71.31,23.4 70.84,23.87 70.84,27.56 v1(70.98,27.7) ; v1(73.21,12.45) 73.41,12.45 74.61,11.25 74.96,11.25 ; v1(71.46,16.7) 72.26,17.5 C22#7.2 ; v1(67.66,8.3) C6#6.1 67.73,9.32 U4#9.1 67.73,12.04 68.34,12.65 U4#9.5 68.48,12.65 U4#9.6 ; U11#6.1 72.56,19 72.41,18.85 v1(72.3,18.85) ; 76.56,12.25 77.61,12.25 C19#3.2 77.51,11.75 76.56,11.75
  Top w0.3: U10#3.B7 U10#3.A7 ; U10#3.A7 76.46,28.2 v1(75.06,29.6) 74.91,29.6 73.41,31.1 R19#3.1 73.41,31.1 ; U10#3.A7 U10#3.A8 ; IC6#9.8 60.76,11.02 C9#7.2 60.78,10.07 v1(60.81,10.05) ; 77.81,13.05 77.26,13.6 U5#4.8 77.26,14.7 78.06,15.5 U5#4.2 ; 77.81,13.05 C19#3.2 ; 77.81,13.05 78.36,13.05 78.86,13.55 U5#4.6 ; v1(70.98,27.7) 68.43,27.7 C17#3.2 67.86,27.05 v1(66.81,26) ; R9#3.2 72.31,8.4 v1(72.31,8.2) 72.31,8.27 R10#2.2 ; v1(71.46,16.7) R2#3.2 71.66,15 R3#5.2 ; IC6#9.5 59.26,14.5 C7#5.1 v1(57.81,14.05) ; IC6#9.12 v1(63.46,13.5)
  Top w0.5: v1(80.31,12.8) C15#5.1 78.61,12.05 C19#3.2
  Bottom w0.2: v1(72.3,18.85) 72.3,18.14 71.46,17.3 v1(71.46,16.7)
  Bottom w0.3: v1(71.01,29.6) 70.98,29.57 v1(70.98,27.7) ; v1(66.81,26) IC4.11 ; v1(60.81,37.5) 60.21,38.1 TP8#7.1
  vias: v2(75.26,33.8)
Board_7-+5V: length 5
  Top w0.3: 66.36,24.4 66.71,24.75 v3(66.71,25.2) 66.76,25.2 C18#5.1
  Bottom w0.3: IC4.9 67.51,24.4 v3(66.71,25.2) IC4.10
Board_7-/C1: length 1.6
  Top w0.2: 75.51,10.75 75.51,10.35 74.71,9.55 C11#2.1
Board_7-/D2: length 4.7
  Top w0.25: U2.3 78.16,40.9 78.53,41.28 79.39,41.28 79.86,40.81 R6#7.1
Board_7-/G2: length 2.2
  Top w0.2: U2.5 U2.6 74.26,39.9 73.66,39.3 R4#7.2
Board_7-/ISET: length 4.5
  Top w0.3: R5#4.2 61.76,29.4 62.66,28.5 63.51,28.5 64.06,29.05 64.31,29.05 64.51,29.25 IC5#5.5
Board_7-/MOTOR_OUT+: length 3.2
  Top w0.3: M1.1 57.88,30.22 U6#8.9
Board_7-/MOTOR_OUT-: length 4.6
  Top w0.3: M1.2 55.46,31.44 55.46,32.2 56.06,32.8 56.46,32.8 56.61,32.65 U6#8.6
Board_7-/SW: length 2.9
  Top w0.3: L3#8.2 63.01,20.11 63.01,20.9 63.06,20.95 IC3#6.5
Board_7-/TOUCH_HIGH_INT-DC: length 31.4
  Top w0.15: 72.16,21.7 71.86,22 71.41,22 v1(71.06,22.35) ; 72.16,21.7 72.16,22.66 72.87,23.37 72.87,26.1 73.76,27 U13#6.21 ; 72.16,21.7 72.46,21.4 72.86,21.4 72.96,21.3 ; v1(54.51,28.85) U12.10 ; 72.96,21.3 72.93,21.32 ; 72.96,21.3 U11#6.10
  Bottom w0.15: v1(71.06,22.35) 70.41,22.35 69.26,21.2 67.77,21.2 65.32,23.65 63.46,23.65 60.36,26.75 56.61,26.75 54.51,28.85 v1(54.51,28.85)
Board_7-/TOUCH_HIGH_RST-SDA: length 33
  Top w0.15: 54.49,26.75 U12.7 ; v1(74.28,21.38) 74.16,21.26 U11#6.7 ; U13#6.18 74.05,25.8 73.92,25.67 73.92,23.36 74.21,23.07 74.21,21.46
  Bottom w0.15: v1(54.51,26.73) 54.51,25.9 55.71,24.7 58.36,24.7 58.91,24.15 58.91,22.55 63.01,18.45 66.41,18.45 67.36,19.4 72.11,19.4 74.09,21.38 v1(74.28,21.38)
Board_7-/TOUCH_HIGH_SCL-CS: length 32.9
  Top w0.15: U12.9 53.03,28.13 v1(54.49,28.13) ; U13#6.20 73.86,26.6 73.22,25.96 73.22,23.21 72.86,22.85 v1(72.86,22.55) 72.86,22 73.36,21.5 U11#6.9
  Bottom w0.15: v1(72.86,22.55) 72.26,22.55 71.51,21.79 71.51,21.4 70.81,20.7 62.91,20.7 62.26,21.35 62.26,24.05 60.11,26.2 56.16,26.2 55.56,26.8 55.56,27.2 54.63,28.13 v1(54.49,28.13)
Board_7-/TOUCH_HIGH_SDA-SCL: length 32.6
  Top w0.15: U13#6.19 73.95,26.2 73.57,25.81 73.57,22.06 v1(73.58,22.05) 73.76,21.87 U11#6.8 ; v1(54.51,27.43) 54.49,27.45 U12.8
  Bottom w0.15: v1(54.51,27.43) 54.63,27.43 55.11,26.95 55.11,26.35 55.91,25.55 59.81,25.55 61.61,23.75 61.61,20.95 62.31,20.25 71.71,20.25 73.5,22.05 v1(73.58,22.05)
Board_7-/~{RESET_BAT_SUP}: length 7.6
  Top w0.3: v4(66.36,35) 66.06,35.3 U3#2.1 ; IC2.3 71.01,34.1 68.54,34.1 v4(67.94,34.7)
  Bottom w0.3: v4(66.36,35) 67.64,35 v4(67.94,34.7)
Board_7-BAT_MON: length 16.5
  Top w0.3: v1(81.66,38.9) 81.66,38.85 80.81,38 R6#7.2 ; R7#3.1 79.73,37.87 ; v4(85.68,29.67) U10#3.J8
  Bottom w0.3: v4(85.68,29.67) 85.76,29.75 85.76,32.4 85.16,33 85.16,34.3 82.96,36.5 82.96,37.6 v1(81.66,38.9) 80.91,38.9 TP3#3.1
Board_7-BAT_MON_EN: length 23.8
  Top w0.2: R8#3.2 75.91,42.3 75.91,40.67 76.18,40.4 U2.2 77.36,40.4
  Top w0.3: 77.36,40.4 78.36,40.4 78.67,40.72 v4(79.16,40.72) ; v1(84.16,33) 85.36,33 v1(86.66,31.7) ; v4(86.46,27.7) 86.46,27.8 U10#3.J7
  Bottom w0.3: v4(86.46,27.7) 86.66,27.9 v1(86.66,31.7) ; v1(84.16,33) 83.76,33 83.56,33.21 83.56,33.21 83.06,33.71 83.06,34.01 79.5,37.56 79.5,40.37 v4(79.16,40.72)
